# Allegro board 6089-119-RevA_41.brd (continued)
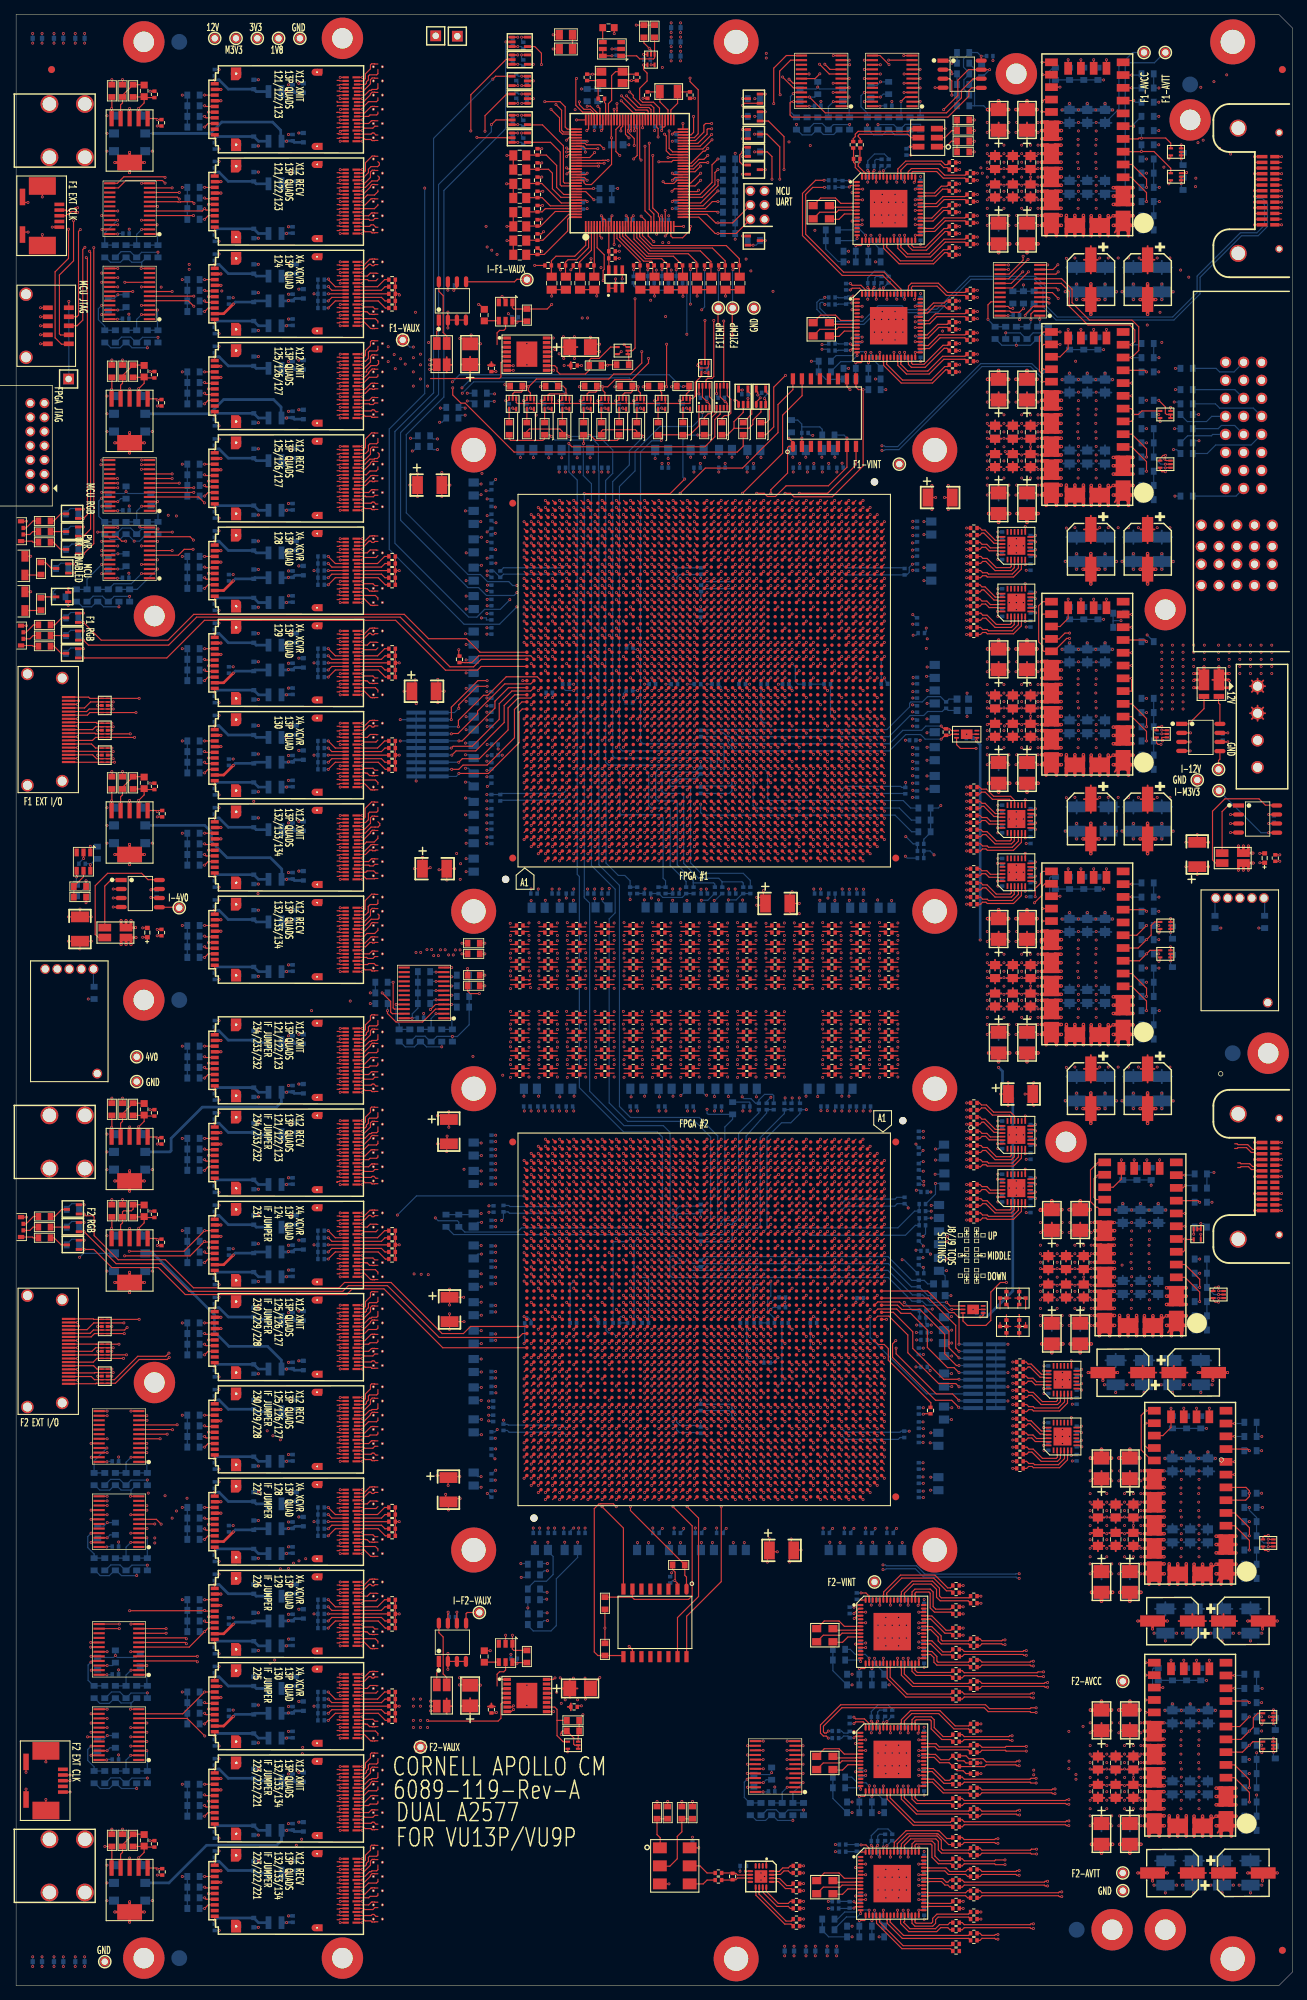
[diagram p0: board, top side]
## Routing (per net, layer and track width the routed paths; a pad name or vN(x,y) marks a point on that pad's centre or on a via; arc(x,y) is an arc through that point) (continued)
  GND4 w0.254: 49.98,231.4 VA17.3 ; VA17.3 50.37,231.02 ; VA17.3 50.37,231.78 ; VA17.3 49.95,231.59 ; VA17.3 50.18,230.99 ; VA17.3 50.04,231.72 ; VA17.3 50.04,231.08 ; VA17.3 49.95,231.21 ; VA41.4 51.96,166.08 ; VA41.4 52.05,166.21 ; VA41.4 51.63,166.02 ; VA41.4 51.96,166.72 ; VA41.4 52.05,166.59 ; VA41.4 52.02,166.4 ; VA41.4 51.63,166.78 ; VA41.4 51.82,166.81 ; VA71.3 50.37,93.78 ; VA71.3 49.95,93.59 ; VA71.3 50.18,92.99 ; VA71.3 50.04,93.72 ; VA71.3 49.98,93.4 ; VA71.3 50.04,93.08 ; VA71.3 50.37,93.02 ; VA71.3 49.95,93.21 ; VA22.4 51.82,221.81 ; VA22.4 52.02,221.4 ; VA22.4 51.96,221.08 ; VA22.4 52.05,221.59 ; VA22.4 51.96,221.72 ; VA22.4 51.63,221.02 ; VA22.4 51.63,221.78 ; VA22.4 52.05,221.21 ; 49.98,221.4 VA22.3 ; VA22.3 50.37,221.78 ; VA22.3 49.95,221.21 ; VA22.3 49.95,221.59 ; VA22.3 50.04,221.08 ; VA22.3 50.04,221.72 ; VA22.3 50.18,220.99 ; VA22.3 50.37,221.02 ; 49.95,60.71 VA84.4 ; VA84.4 50.37,61.28 ; VA84.4 50.04,60.58 ; VA84.4 50.18,60.49 ; VA84.4 50.37,60.52 ; VA84.4 50.04,61.22 ; VA84.4 49.95,61.09 ; VA84.4 49.98,60.9 ; VA75.4 52.05,84.59 ; VA75.4 51.82,84.81 ; VA75.4 52.02,84.4 ; VA75.4 52.05,84.21 ; VA75.4 51.63,84.02 ; VA75.4 51.63,84.78 ; VA75.4 51.96,84.08 ; VA75.4 51.96,84.72 ; VA4.4 52.02,264.4 ; VA4.4 51.96,264.08 ; VA4.4 51.96,264.72 ; VA4.4 51.82,264.81 ; VA4.4 52.05,264.21 ; VA4.4 52.05,264.59 ; VA4.4 51.63,264.02 ; VA4.4 51.63,264.78 ; VA87.3 52.02,49.9 ; VA87.3 52.05,49.71 ; VA87.3 51.63,50.28 ; VA87.3 52.05,50.09 ; VA87.3 51.63,49.52 ; VA87.3 51.82,50.31 ; VA87.3 51.96,49.58 ; VA87.3 51.96,50.22 ; 49.98,130.4 VA56.3 ; VA56.3 50.04,130.72 ; VA56.3 50.37,130.78 ; VA56.3 50.04,130.08 ; VA56.3 49.95,130.59 ; VA56.3 50.37,130.02 ; VA56.3 50.18,129.99 ; VA56.3 49.95,130.21 ; VA70.4 51.96,95.08 ; VA70.4 52.05,95.59 ; VA70.4 52.05,95.21 ; VA70.4 51.63,95.78 ; VA70.4 51.96,95.72 ; VA70.4 52.02,95.4 ; VA70.4 51.82,95.81 ; VA70.4 51.63,95.02 ; 51.63,253.02 VA9.4 ; VA9.4 52.02,253.4 ; VA9.4 52.05,253.21 ; VA9.4 51.96,253.08 ; VA9.4 51.96,253.72 ; VA9.4 51.82,253.81 ; VA9.4 51.63,253.78 ; VA9.4 52.05,253.59 ; VA85.4 52.05,56.71 ; VA85.4 52.05,57.09 ; VA85.4 51.82,57.31 ; VA85.4 51.63,57.28 ; VA85.4 51.63,56.52 ; VA85.4 52.02,56.9 ; VA85.4 51.96,57.22 ; VA85.4 51.96,56.58 ; VA94.4 52.02,30.4 ; VA94.4 52.05,30.21 ; VA94.4 51.82,30.81 ; VA94.4 52.05,30.59 ; VA94.4 51.63,30.02 ; VA94.4 51.96,30.08 ; VA94.4 51.96,30.72 ; VA94.4 51.63,30.78 ; 49.98,43.9 VA89.3 ; VA89.3 50.04,43.58 ; VA89.3 49.95,43.71 ; VA89.3 50.04,44.22 ; VA89.3 50.37,43.52 ; VA89.3 50.18,43.49 ; VA89.3 49.95,44.09 ; VA89.3 50.37,44.28 ; VA74.4 51.96,87.08 ; VA74.4 51.63,87.02 ; VA74.4 51.96,87.72 ; VA74.4 52.05,87.59 ; VA74.4 52.05,87.21 ; VA74.4 51.63,87.78 ; VA74.4 52.02,87.4 ; VA74.4 51.82,87.81 ; VA63.4 51.96,115.08 ; VA63.4 51.63,115.02 ; VA63.4 51.82,115.81 ; VA63.4 51.63,115.78 ; VA63.4 52.02,115.4 ; VA63.4 52.05,115.59 ; VA63.4 52.05,115.21 ; VA63.4 51.96,115.72 ; 50.37,97.02 VA69.3 ; VA69.3 49.95,97.21 ; VA69.3 50.37,97.78 ; VA69.3 49.98,97.4 ; VA69.3 50.04,97.72 ; VA69.3 49.95,97.59 ; VA69.3 50.04,97.08 ; VA69.3 50.18,96.99 ; 49.98,170.9 VA39.4 ; VA39.4 50.04,171.22 ; VA39.4 49.95,170.71 ; VA39.4 49.95,171.09 ; VA39.4 50.04,170.58 ; VA39.4 50.37,171.28 ; VA39.4 50.18,170.49 ; VA39.4 50.37,170.52 ; 50.37,74.02 VA80.3 ; VA80.3 50.18,73.99 ; VA80.3 50.37,74.78 ; VA80.3 50.04,74.72 ; VA80.3 50.04,74.08 ; VA80.3 49.95,74.21 ; VA80.3 49.95,74.59 ; VA80.3 49.98,74.4 ; 50.18,125.99 VA58.3 ; VA58.3 50.04,126.72 ; VA58.3 50.04,126.08 ; VA58.3 49.95,126.59 ; VA58.3 50.37,126.02 ; VA58.3 49.98,126.4 ; VA58.3 49.95,126.21 ; VA58.3 50.37,126.78 ; VA95.3 50.37,28.78 ; VA95.3 50.04,28.72 ; VA95.3 49.95,28.21 ; VA95.3 49.98,28.4 ; VA95.3 50.37,28.02 ; VA95.3 49.95,28.59 ; VA95.3 50.18,27.99 ; VA95.3 50.04,28.08 ; 50.04,153.72 VA47.3 ; VA47.3 50.18,152.99 ; VA47.3 49.95,153.21 ; VA47.3 49.98,153.4 ; VA47.3 50.04,153.08 ; VA47.3 50.37,153.02 ; VA47.3 50.37,153.78 ; VA47.3 49.95,153.59 ; 1.6,168.08 J5.20 ; J5.20 2.66,169.15 ; J5.20 2.4,169.96 ; J5.20 2.05,170.2 ; J5.20 1.6,170.22 ; J5.20 2.4,168.35 ; J5.20 1.15,168.11 ; J5.20 2.64,169.6 ; VA33.4 51.96,190.58 ; VA33.4 52.05,190.71 ; VA33.4 51.96,191.22 ; VA33.4 52.05,191.09 ; VA33.4 52.02,190.9 ; VA33.4 51.82,191.31 ; VA33.4 51.63,191.28 ; VA33.4 51.63,190.52 ; 49.95,19.21 VA99.3 ; VA99.3 50.04,19.08 ; VA99.3 50.04,19.72 ; VA99.3 49.95,19.59 ; VA99.3 50.18,18.99 ; VA99.3 50.37,19.02 ; VA99.3 50.37,19.78 ; VA99.3 49.98,19.4 ; 49.95,89.21 VA73.3 ; VA73.3 50.37,89.78 ; VA73.3 50.37,89.02 ; VA73.3 49.98,89.4 ; VA73.3 49.95,89.59 ; VA73.3 50.18,88.99 ; VA73.3 50.04,89.08 ; VA73.3 50.04,89.72 ; VA27.3 50.37,210.78 ; VA27.3 49.98,210.4 ; VA27.3 50.18,209.99 ; VA27.3 50.04,210.72 ; VA27.3 50.37,210.02 ; VA27.3 49.95,210.59 ; VA27.3 50.04,210.08 ; VA27.3 49.95,210.21 ; 51.63,216.02 VA24.4 ; VA24.4 51.96,216.72 ; VA24.4 52.02,216.4 ; VA24.4 51.82,216.81 ; VA24.4 52.05,216.59 ; VA24.4 51.63,216.78 ; VA24.4 52.05,216.21 ; VA24.4 51.96,216.08 ; PM21.1 156,14.28 ; PM21.1 155.33,14.07 ; PM21.1 155.33,12.73 ; PM21.1 156.67,12.73 ; PM21.1 156.88,13.4 ; PM21.1 156.67,14.07 ; PM21.1 155.12,13.4 ; PM21.1 156,12.52 ; 5.69,185.07 J5.22 ; J5.22 7.31,183.46 ; J5.22 6.5,183.2 ; J5.22 7.57,184.26 ; J5.22 7.31,185.07 ; J5.22 5.43,184.26 ; J5.22 5.69,183.46 ; J5.22 6.5,185.33 ; PM9.1 40.67,275.07 ; PM9.1 39.12,274.4 ; PM9.1 40,273.52 ; PM9.1 40.67,273.73 ; PM9.1 40.88,274.4 ; PM9.1 39.33,275.07 ; PM9.1 40,275.28 ; PM9.1 39.33,273.73 ; VA40.3 51.96,168.58 ; VA40.3 51.63,169.28 ; VA40.3 52.02,168.9 ; VA40.3 52.05,168.71 ; VA40.3 51.63,168.52 ; VA40.3 51.96,169.22 ; VA40.3 52.05,169.09 ; VA40.3 51.82,169.31 ; VA8.4 52.05,255.59 ; VA8.4 51.82,255.81 ; VA8.4 52.05,255.21 ; VA8.4 52.02,255.4 ; VA8.4 51.96,255.08 ; VA8.4 51.63,255.78 ; VA8.4 51.63,255.02 ; VA8.4 51.96,255.72 ; 7.5,142.39 U1.3 ; U1.3 6.83,142.6 ; U1.3 8.17,142.6 ; U1.3 8.17,143.94 ; U1.3 7.12,142.4 ; U1.3 6.83,143.94 ; U1.3 7.88,144.14 ; U1.3 7.5,144.14 ; 50.04,264.72 VA4.3 ; VA4.3 49.98,264.4 ; VA4.3 50.04,264.08 ; VA4.3 49.95,264.21 ; VA4.3 49.95,264.59 ; VA4.3 50.18,263.99 ; VA4.3 50.37,264.78 ; VA4.3 50.37,264.02 ; VA58.4 51.96,126.72 ; VA58.4 51.63,126.78 ; VA58.4 52.05,126.21 ; VA58.4 51.63,126.02 ; VA58.4 51.96,126.08 ; VA58.4 52.02,126.4 ; VA58.4 51.82,126.81 ; VA58.4 52.05,126.59 ; 50.04,218.08 VA23.3 ; VA23.3 49.98,218.4 ; VA23.3 50.04,218.72 ; VA23.3 50.37,218.02 ; VA23.3 50.37,218.78 ; VA23.3 50.18,217.99 ; VA23.3 49.95,218.21 ; VA23.3 49.95,218.59 ; VA32.3 52.05,194.71 ; VA32.3 51.82,195.31 ; VA32.3 51.96,195.22 ; VA32.3 51.96,194.58 ; VA32.3 51.63,194.52 ; VA32.3 52.05,195.09 ; VA32.3 51.63,195.28 ; VA32.3 52.02,194.9 ; 49.95,30.21 VA94.3 ; VA94.3 50.04,30.08 ; VA94.3 50.37,30.02 ; VA94.3 50.04,30.72 ; VA94.3 49.98,30.4 ; VA94.3 50.37,30.78 ; VA94.3 49.95,30.59 ; VA94.3 50.18,29.99 ; 50.04,229.72 VA18.3 ; VA18.3 49.95,229.21 ; VA18.3 50.37,229.02 ; VA18.3 50.04,229.08 ; VA18.3 50.18,228.99 ; VA18.3 50.37,229.78 ; VA18.3 49.95,229.59 ; VA18.3 49.98,229.4 ; 49.98,162.4 VA43.3 ; VA43.3 50.04,162.08 ; VA43.3 49.95,162.59 ; VA43.3 50.18,161.99 ; VA43.3 50.37,162.78 ; VA43.3 50.04,162.72 ; VA43.3 49.95,162.21 ; VA43.3 50.37,162.02 ; 49.95,99.71 VA68.4 ; VA68.4 50.37,100.28 ; VA68.4 50.04,100.22 ; VA68.4 49.95,100.09 ; VA68.4 50.04,99.58 ; VA68.4 50.18,99.49 ; VA68.4 50.37,99.52 ; VA68.4 49.98,99.9 ; 5.43,82.14 J6.21 ; J6.21 7.31,81.33 ; J6.21 7.57,82.14 ; J6.21 5.69,82.94 ; J6.21 7.31,82.94 ; J6.21 5.69,81.33 ; J6.21 6.5,81.07 ; J6.21 6.5,83.2 ; VA29.4 51.82,204.31 ; VA29.4 52.05,204.09 ; VA29.4 51.96,203.58 ; VA29.4 51.63,204.28 ; VA29.4 51.63,203.52 ; VA29.4 51.96,204.22 ; VA29.4 52.05,203.71 ; VA29.4 52.02,203.9 ; 49.98,190.9 VA33.3 ; VA33.3 50.04,191.22 ; VA33.3 50.37,190.52 ; VA33.3 49.95,190.71 ; VA33.3 49.95,191.09 ; VA33.3 50.18,190.49 ; VA33.3 50.04,190.58 ; VA33.3 50.37,191.28 ; 49.98,95.4 VA70.3 ; VA70.3 49.95,95.59 ; VA70.3 50.04,95.08 ; VA70.3 50.18,94.99 ; VA70.3 50.37,95.78 ; VA70.3 50.37,95.02 ; VA70.3 49.95,95.21 ; VA70.3 50.04,95.72 ; VA56.4 51.63,130.78 ; VA56.4 51.96,130.08 ; VA56.4 52.05,130.21 ; VA56.4 51.96,130.72 ; VA56.4 51.82,130.81 ; VA56.4 51.63,130.02 ; VA56.4 52.02,130.4 ; VA56.4 52.05,130.59 ; 49.98,13.4 VA102.3 ; VA102.3 50.18,12.99 ; VA102.3 50.37,13.78 ; VA102.3 49.95,13.21 ; VA102.3 50.04,13.72 ; VA102.3 49.95,13.59 ; VA102.3 50.37,13.02 ; VA102.3 50.04,13.08 ; VA76.4 52.05,82.21 ; VA76.4 52.02,82.4 ; VA76.4 52.05,82.59 ; VA76.4 51.82,82.81 ; VA76.4 51.63,82.02 ; VA76.4 51.63,82.78 ; VA76.4 51.96,82.72 ; VA76.4 51.96,82.08 ; 51.63,123.02 VA59.4 ; VA59.4 51.63,123.78 ; VA59.4 51.82,123.81 ; VA59.4 52.05,123.21 ; VA59.4 51.96,123.72 ; VA59.4 52.02,123.4 ; VA59.4 52.05,123.59 ; VA59.4 51.96,123.08 ; 50.37,262.02 VA5.3 ; VA5.3 49.95,262.21 ; VA5.3 50.37,262.78 ; VA5.3 50.04,262.72 ; VA5.3 49.95,262.59 ; VA5.3 50.04,262.08 ; VA5.3 49.98,262.4 ; VA5.3 50.18,261.99 ; 50.37,121.02 VA60.3 ; VA60.3 50.18,120.99 ; VA60.3 50.04,121.72 ; VA60.3 49.95,121.59 ; VA60.3 49.95,121.21 ; VA60.3 50.04,121.08 ; VA60.3 49.98,121.4 ; VA60.3 50.37,121.78 ; VA103.4 51.96,11.08 ; VA103.4 51.96,11.72 ; VA103.4 52.05,11.21 ; VA103.4 51.63,11.78 ; VA103.4 52.05,11.59 ; VA103.4 51.82,11.81 ; VA103.4 52.02,11.4 ; VA103.4 51.63,11.02 ; VA49.4 51.63,149.78 ; VA49.4 51.96,149.08 ; VA49.4 51.82,149.81 ; VA49.4 52.05,149.21 ; VA49.4 52.02,149.4 ; VA49.4 51.96,149.72 ; VA49.4 51.63,149.02 ; VA49.4 52.05,149.59 ; 1.6,96.18 J6.23 ; J6.23 2.4,96.44 ; J6.23 2.64,97.7 ; J6.23 1.15,96.2 ; J6.23 2.4,98.05 ; J6.23 2.66,97.25 ; J6.23 2.05,98.29 ; J6.23 1.6,98.32 ; 49.95,91.59 VA72.3 ; VA72.3 50.18,90.99 ; VA72.3 50.04,91.08 ; VA72.3 50.37,91.02 ; VA72.3 49.98,91.4 ; VA72.3 50.04,91.72 ; VA72.3 49.95,91.21 ; VA72.3 50.37,91.78 ; 49.98,145.4 VA51.3 ; VA51.3 49.95,145.21 ; VA51.3 49.95,145.59 ; VA51.3 50.37,145.02 ; VA51.3 50.18,144.99 ; VA51.3 50.37,145.78 ; VA51.3 50.04,145.08 ; VA51.3 50.04,145.72 ; 50.04,169.22 VA40.4 ; VA40.4 49.95,168.71 ; VA40.4 50.37,169.28 ; VA40.4 50.18,168.49 ; VA40.4 50.37,168.52 ; VA40.4 49.98,168.9 ; VA40.4 50.04,168.58 ; VA40.4 49.95,169.09 ; VA50.4 51.63,147.78 ; VA50.4 52.05,147.59 ; VA50.4 51.63,147.02 ; VA50.4 51.96,147.08 ; VA50.4 52.05,147.21 ; VA50.4 51.96,147.72 ; VA50.4 52.02,147.4 ; VA50.4 51.82,147.81 ; 11.83,2.73 PM1.1 ; PM1.1 11.83,4.07 ; PM1.1 13.17,4.07 ; PM1.1 12.5,4.28 ; PM1.1 13.38,3.4 ; PM1.1 12.5,2.52 ; PM1.1 13.17,2.73 ; PM1.1 11.62,3.4 ; VA28.4 52.05,208.59 ; VA28.4 52.05,208.21 ; VA28.4 51.96,208.08 ; VA28.4 51.96,208.72 ; VA28.4 52.02,208.4 ; VA28.4 51.63,208.02 ; VA28.4 51.63,208.78 ; VA28.4 51.82,208.81 ; 49.95,117.59 VA62.3 ; VA62.3 50.37,117.02 ; VA62.3 50.04,117.08 ; VA62.3 50.18,116.99 ; VA62.3 50.04,117.72 ; VA62.3 50.37,117.78 ; VA62.3 49.95,117.21 ; VA62.3 49.98,117.4 ; VA30.4 52.05,202.09 ; VA30.4 51.82,202.31 ; VA30.4 51.63,201.52 ; VA30.4 52.05,201.71 ; VA30.4 52.02,201.9 ; VA30.4 51.96,202.22 ; VA30.4 51.63,202.28 ; VA30.4 51.96,201.58 ; VA10.4 52.02,251.4 ; VA10.4 51.63,251.78 ; VA10.4 52.05,251.59 ; VA10.4 52.05,251.21 ; VA10.4 51.96,251.72 ; VA10.4 51.96,251.08 ; VA10.4 51.82,251.81 ; VA10.4 51.63,251.02 ; VA83.3 52.05,62.71 ; VA83.3 51.82,63.31 ; VA83.3 51.96,62.58 ; VA83.3 51.63,63.28 ; VA83.3 52.02,62.9 ; VA83.3 52.05,63.09 ; VA83.3 51.63,62.52 ; VA83.3 51.96,63.22 ; VA51.4 52.05,145.59 ; VA51.4 51.96,145.72 ; VA51.4 51.96,145.08 ; VA51.4 51.63,145.02 ; VA51.4 51.63,145.78 ; VA51.4 52.05,145.21 ; VA51.4 52.02,145.4 ; VA51.4 51.82,145.81 ; VA96.4 51.96,26.72 ; VA96.4 52.05,26.59 ; VA96.4 51.82,26.81 ; VA96.4 51.63,26.02 ; VA96.4 51.96,26.08 ; VA96.4 52.05,26.21 ; VA96.4 51.63,26.78 ; VA96.4 52.02,26.4 ; VA100.4 52.02,17.4 ; VA100.4 52.05,17.21 ; VA100.4 52.05,17.59 ; VA100.4 51.63,17.78 ; VA100.4 51.82,17.81 ; VA100.4 51.96,17.08 ; VA100.4 51.96,17.72 ; VA100.4 51.63,17.02 ; VA48.4 51.63,151.78 ; VA48.4 51.96,151.72 ; VA48.4 51.82,151.81 ; VA48.4 52.05,151.21 ; VA48.4 51.96,151.08 ; VA48.4 51.63,151.02 ; VA48.4 52.02,151.4 ; VA48.4 52.05,151.59 ; 49.95,34.71 VA92.4 ; VA92.4 50.04,35.22 ; VA92.4 49.98,34.9 ; VA92.4 50.04,34.58 ; VA92.4 50.37,34.52 ; VA92.4 49.95,35.09 ; VA92.4 50.18,34.49 ; VA92.4 50.37,35.28 ; VA95.4 52.02,28.4 ; VA95.4 51.63,28.02 ; VA95.4 51.63,28.78 ; VA95.4 51.96,28.08 ; VA95.4 51.96,28.72 ; VA95.4 52.05,28.59 ; VA95.4 51.82,28.81 ; VA95.4 52.05,28.21 ; 49.98,136.4 VA53.3 ; VA53.3 49.95,136.59 ; VA53.3 50.04,136.72 ; VA53.3 50.18,135.99 ; VA53.3 50.37,136.02 ; VA53.3 50.04,136.08 ; VA53.3 49.95,136.21 ; VA53.3 50.37,136.78 ; 50.37,41.52 VA90.3 ; VA90.3 50.04,41.58 ; VA90.3 50.04,42.22 ; VA90.3 49.95,41.71 ; VA90.3 50.18,41.49 ; VA90.3 49.95,42.09 ; VA90.3 49.98,41.9 ; VA90.3 50.37,42.28 ; 50.04,50.22 VA87.4 ; VA87.4 49.95,49.71 ; VA87.4 50.18,49.49 ; VA87.4 49.98,49.9 ; VA87.4 50.37,50.28 ; VA87.4 49.95,50.09 ; VA87.4 50.04,49.58 ; VA87.4 50.37,49.52 ; 49.98,194.9 VA32.4 ; VA32.4 49.95,194.71 ; VA32.4 50.18,194.49 ; VA32.4 50.04,195.22 ; VA32.4 49.95,195.09 ; VA32.4 50.37,195.28 ; VA32.4 50.37,194.52 ; VA32.4 50.04,194.58 ; VA88.3 52.02,47.9 ; VA88.3 51.63,48.28 ; VA88.3 51.96,48.22 ; VA88.3 52.05,48.09 ; VA88.3 51.96,47.58 ; VA88.3 51.63,47.52 ; VA88.3 52.05,47.71 ; VA88.3 51.82,48.31 ; VA2.4 52.05,268.21 ; VA2.4 52.02,268.4 ; VA2.4 51.96,268.72 ; VA2.4 51.96,268.08 ; VA2.4 51.82,268.81 ; VA2.4 51.63,268.78 ; VA2.4 52.05,268.59 ; VA2.4 51.63,268.02 ; 50.04,235.58 VA15.4 ; VA15.4 50.37,236.28 ; VA15.4 50.04,236.22 ; VA15.4 50.18,235.49 ; VA15.4 50.37,235.52 ; VA15.4 49.98,235.9 ; VA15.4 49.95,235.71 ; VA15.4 49.95,236.09 ; VA52.3 50.37,143.78 ; VA52.3 49.98,143.4 ; VA52.3 50.04,143.72 ; VA52.3 50.37,143.02 ; VA52.3 50.18,142.99 ; VA52.3 50.04,143.08 ; VA52.3 49.95,143.59 ; VA52.3 49.95,143.21 ; VA23.4 52.05,218.21 ; VA23.4 51.96,218.08 ; VA23.4 51.96,218.72 ; VA23.4 51.82,218.81 ; VA23.4 51.63,218.78 ; VA23.4 52.02,218.4 ; VA23.4 52.05,218.59 ; VA23.4 51.63,218.02 ; PM16.1 104.67,237.07 ; PM16.1 104.67,235.73 ; PM16.1 104.88,236.4 ; PM16.1 104,235.52 ; PM16.1 104,237.28 ; PM16.1 103.33,237.07 ; PM16.1 103.12,236.4 ; PM16.1 103.33,235.73 ; VA62.4 51.63,117.78 ; VA62.4 51.63,117.02 ; VA62.4 51.96,117.72 ; VA62.4 52.05,117.21 ; VA62.4 51.82,117.81 ; VA62.4 51.96,117.08 ; VA62.4 52.02,117.4 ; VA62.4 52.05,117.59 ; VA11.4 52.02,249.4 ; VA11.4 51.63,249.02 ; VA11.4 52.05,249.21 ; VA11.4 52.05,249.59 ; VA11.4 51.96,249.72 ; VA11.4 51.82,249.81 ; VA11.4 51.63,249.78 ; VA11.4 51.96,249.08 ; VA81.4 52.05,69.71 ; VA81.4 51.96,70.22 ; VA81.4 52.02,69.9 ; VA81.4 52.05,70.09 ; VA81.4 51.96,69.58 ; VA81.4 51.63,69.52 ; VA81.4 51.63,70.28 ; VA81.4 51.82,70.31 ; 49.98,225.4 VA20.3 ; VA20.3 50.37,225.78 ; VA20.3 49.95,225.21 ; VA20.3 50.04,225.08 ; VA20.3 49.95,225.59 ; VA20.3 50.04,225.72 ; VA20.3 50.37,225.02 ; VA20.3 50.18,224.99 ; VA64.4 52.05,113.59 ; VA64.4 51.96,113.72 ; VA64.4 52.02,113.4 ; VA64.4 51.63,113.78 ; VA64.4 51.96,113.08 ; VA64.4 51.82,113.81 ; VA64.4 51.63,113.02 ; VA64.4 52.05,113.21 ; VA3.4 51.82,266.81 ; VA3.4 52.02,266.4 ; VA3.4 52.05,266.59 ; VA3.4 51.63,266.02 ; VA3.4 52.05,266.21 ; VA3.4 51.96,266.08 ; VA3.4 51.63,266.78 ; VA3.4 51.96,266.72 ; VA59.3 50.37,123.78 ; VA59.3 50.04,123.72 ; VA59.3 50.18,122.99 ; VA59.3 49.98,123.4 ; VA59.3 49.95,123.59 ; VA59.3 50.37,123.02 ; VA59.3 49.95,123.21 ; VA59.3 50.04,123.08 ; VA31.3 52.05,196.71 ; VA31.3 52.02,196.9 ; VA31.3 51.96,196.58 ; VA31.3 51.96,197.22 ; VA31.3 51.82,197.31 ; VA31.3 51.63,196.52 ; VA31.3 51.63,197.28 ; VA31.3 52.05,197.09 ; VA57.3 50.37,128.78 ; VA57.3 50.04,128.08 ; VA57.3 49.95,128.59 ; VA57.3 50.18,127.99 ; VA57.3 49.98,128.4 ; VA57.3 50.37,128.02 ; VA57.3 50.04,128.72 ; VA57.3 49.95,128.21 ; 6.5,168.67 J5.21 ; J5.21 7.31,170.54 ; J5.21 5.43,169.74 ; J5.21 6.5,170.8 ; J5.21 7.31,168.93 ; J5.21 5.69,168.93 ; J5.21 7.57,169.74 ; J5.21 5.69,170.54 ; VA9.3 50.37,253.78 ; VA9.3 50.04,253.72 ; VA9.3 50.04,253.08 ; VA9.3 49.95,253.59 ; VA9.3 49.95,253.21 ; VA9.3 50.18,252.99 ; VA9.3 49.98,253.4 ; VA9.3 50.37,253.02 ; 49.98,208.4 VA28.3 ; VA28.3 49.95,208.59 ; VA28.3 50.37,208.02 ; VA28.3 50.18,207.99 ; VA28.3 49.95,208.21 ; VA28.3 50.37,208.78 ; VA28.3 50.04,208.08 ; VA28.3 50.04,208.72 ; 172.12,152.4 U122.3 ; U122.3 172.88,154.14 ; U122.3 173.17,152.6 ; U122.3 173.17,153.94 ; U122.3 172.5,154.14 ; U122.3 171.83,152.6 ; U122.3 171.83,153.94 ; U122.3 172.5,152.39 ; 50.04,151.72 VA48.3 ; VA48.3 49.95,151.59 ; VA48.3 50.04,151.08 ; VA48.3 49.95,151.21 ; VA48.3 50.37,151.78 ; VA48.3 50.18,150.99 ; VA48.3 50.37,151.02 ; VA48.3 49.98,151.4 ; VA11.3 50.37,249.78 ; VA11.3 50.18,248.99 ; VA11.3 49.95,249.21 ; VA11.3 49.98,249.4 ; VA11.3 49.95,249.59 ; VA11.3 50.37,249.02 ; VA11.3 50.04,249.08 ; VA11.3 50.04,249.72 ; VA53.4 51.63,136.78 ; VA53.4 51.82,136.81 ; VA53.4 52.05,136.59 ; VA53.4 52.05,136.21 ; VA53.4 51.96,136.08 ; VA53.4 51.96,136.72 ; VA53.4 51.63,136.02 ; VA53.4 52.02,136.4 ; VA42.4 52.02,164.4 ; VA42.4 51.96,164.08 ; VA42.4 51.63,164.78 ; VA42.4 52.05,164.59 ; VA42.4 51.63,164.02 ; VA42.4 51.82,164.81 ; VA42.4 52.05,164.21 ; VA42.4 51.96,164.72 ; VA67.4 50.37,102.28 ; VA67.4 50.04,102.22 ; VA67.4 49.95,102.09 ; VA67.4 50.04,101.58 ; VA67.4 50.37,101.52 ; VA67.4 49.98,101.9 ; VA67.4 50.18,101.49 ; VA67.4 49.95,101.71 ; 51.63,214.02 VA25.4 ; VA25.4 52.05,214.59 ; VA25.4 51.96,214.72 ; VA25.4 51.96,214.08 ; VA25.4 51.82,214.81 ; VA25.4 51.63,214.78 ; VA25.4 52.02,214.4 ; VA25.4 52.05,214.21 ; 50.04,76.72 VA79.3 ; VA79.3 49.95,76.59 ; VA79.3 49.98,76.4 ; VA79.3 50.37,76.02 ; VA79.3 50.18,75.99 ; VA79.3 49.95,76.21 ; VA79.3 50.37,76.78 ; VA79.3 50.04,76.08 ; J6.20 1.6,82.62 ; J6.20 1.15,80.51 ; J6.20 2.4,80.75 ; J6.20 2.64,82 ; J6.20 2.66,81.55 ; J6.20 1.6,80.48 ; J6.20 2.05,82.6 ; J6.20 2.4,82.36 ; 51.63,233.52 VA16.3 ; VA16.3 52.05,233.71 ; VA16.3 51.96,233.58 ; VA16.3 52.05,234.09 ; VA16.3 51.96,234.22 ; VA16.3 52.02,233.9 ; VA16.3 51.63,234.28 ; VA16.3 51.82,234.31 ; 51.63,106.52 VA66.4 ; VA66.4 52.05,107.09 ; VA66.4 51.63,107.28 ; VA66.4 52.02,106.9 ; VA66.4 51.96,106.58 ; VA66.4 52.05,106.71 ; VA66.4 51.82,107.31 ; VA66.4 51.96,107.22 ; 50.04,149.08 VA49.3 ; VA49.3 49.98,149.4 ; VA49.3 50.18,148.99 ; VA49.3 49.95,149.59 ; VA49.3 50.04,149.72 ; VA49.3 50.37,149.02 ; VA49.3 50.37,149.78 ; VA49.3 49.95,149.21 ; VA57.4 51.96,128.08 ; VA57.4 52.05,128.59 ; VA57.4 51.96,128.72 ; VA57.4 52.02,128.4 ; VA57.4 52.05,128.21 ; VA57.4 51.82,128.81 ; VA57.4 51.63,128.78 ; VA57.4 51.63,128.02 ; VA44.4 51.82,160.81 ; VA44.4 51.96,160.72 ; VA44.4 52.05,160.21 ; VA44.4 51.63,160.78 ; VA44.4 51.96,160.08 ; VA44.4 52.02,160.4 ; VA44.4 52.05,160.59 ; VA44.4 51.63,160.02 ; 49.98,201.9 VA30.3 ; VA30.3 50.04,202.22 ; VA30.3 50.37,201.52 ; VA30.3 50.37,202.28 ; VA30.3 49.95,201.71 ; VA30.3 49.95,202.09 ; VA30.3 50.18,201.49 ; VA30.3 50.04,201.58 ; 49.98,216.4 VA24.3 ; VA24.3 50.04,216.72 ; VA24.3 50.04,216.08 ; VA24.3 50.18,215.99 ; VA24.3 49.95,216.21 ; VA24.3 50.37,216.02 ; VA24.3 49.95,216.59 ; VA24.3 50.37,216.78 ; 49.98,113.4 VA64.3 ; VA64.3 50.04,113.72 ; VA64.3 50.37,113.78 ; VA64.3 50.04,113.08 ; VA64.3 50.37,113.02 ; VA64.3 50.18,112.99 ; VA64.3 49.95,113.59 ; VA64.3 49.95,113.21 ; VA86.4 51.82,55.31 ; VA86.4 52.05,54.71 ; VA86.4 51.96,54.58 ; VA86.4 51.96,55.22 ; VA86.4 51.63,55.28 ; VA86.4 52.02,54.9 ; VA86.4 52.05,55.09 ; VA86.4 51.63,54.52 ; 51.63,80.02 VA77.4 ; VA77.4 52.02,80.4 ; VA77.4 52.05,80.21 ; VA77.4 51.96,80.72 ; VA77.4 51.96,80.08 ; VA77.4 52.05,80.59 ; VA77.4 51.82,80.81 ; VA77.4 51.63,80.78 ; VA90.4 52.05,42.09 ; VA90.4 51.63,42.28 ; VA90.4 51.96,41.58 ; VA90.4 51.96,42.22 ; VA90.4 51.82,42.31 ; VA90.4 51.63,41.52 ; VA90.4 52.05,41.71 ; VA90.4 52.02,41.9 ; VA97.4 51.96,24.72 ; VA97.4 51.96,24.08 ; VA97.4 51.82,24.81 ; VA97.4 51.63,24.02 ; VA97.4 52.05,24.59 ; VA97.4 52.05,24.21 ; VA97.4 51.63,24.78 ; VA97.4 52.02,24.4 ; VA69.4 51.82,97.81 ; VA69.4 51.63,97.78 ; VA69.4 52.05,97.21 ; VA69.4 51.96,97.08 ; VA69.4 51.63,97.02 ; VA69.4 52.02,97.4 ; VA69.4 52.05,97.59 ; VA69.4 51.96,97.72 ; 50.37,183.52 VA35.4 ; VA35.4 49.98,183.9 ; VA35.4 49.95,183.71 ; VA35.4 50.04,184.22 ; VA35.4 50.04,183.58 ; VA35.4 50.18,183.49 ; VA35.4 49.95,184.09 ; VA35.4 50.37,184.28 ; 49.95,255.59 VA8.3 ; VA8.3 50.04,255.08 ; VA8.3 50.37,255.02 